# Allegro board BeagleBone-AI.brd (continued)
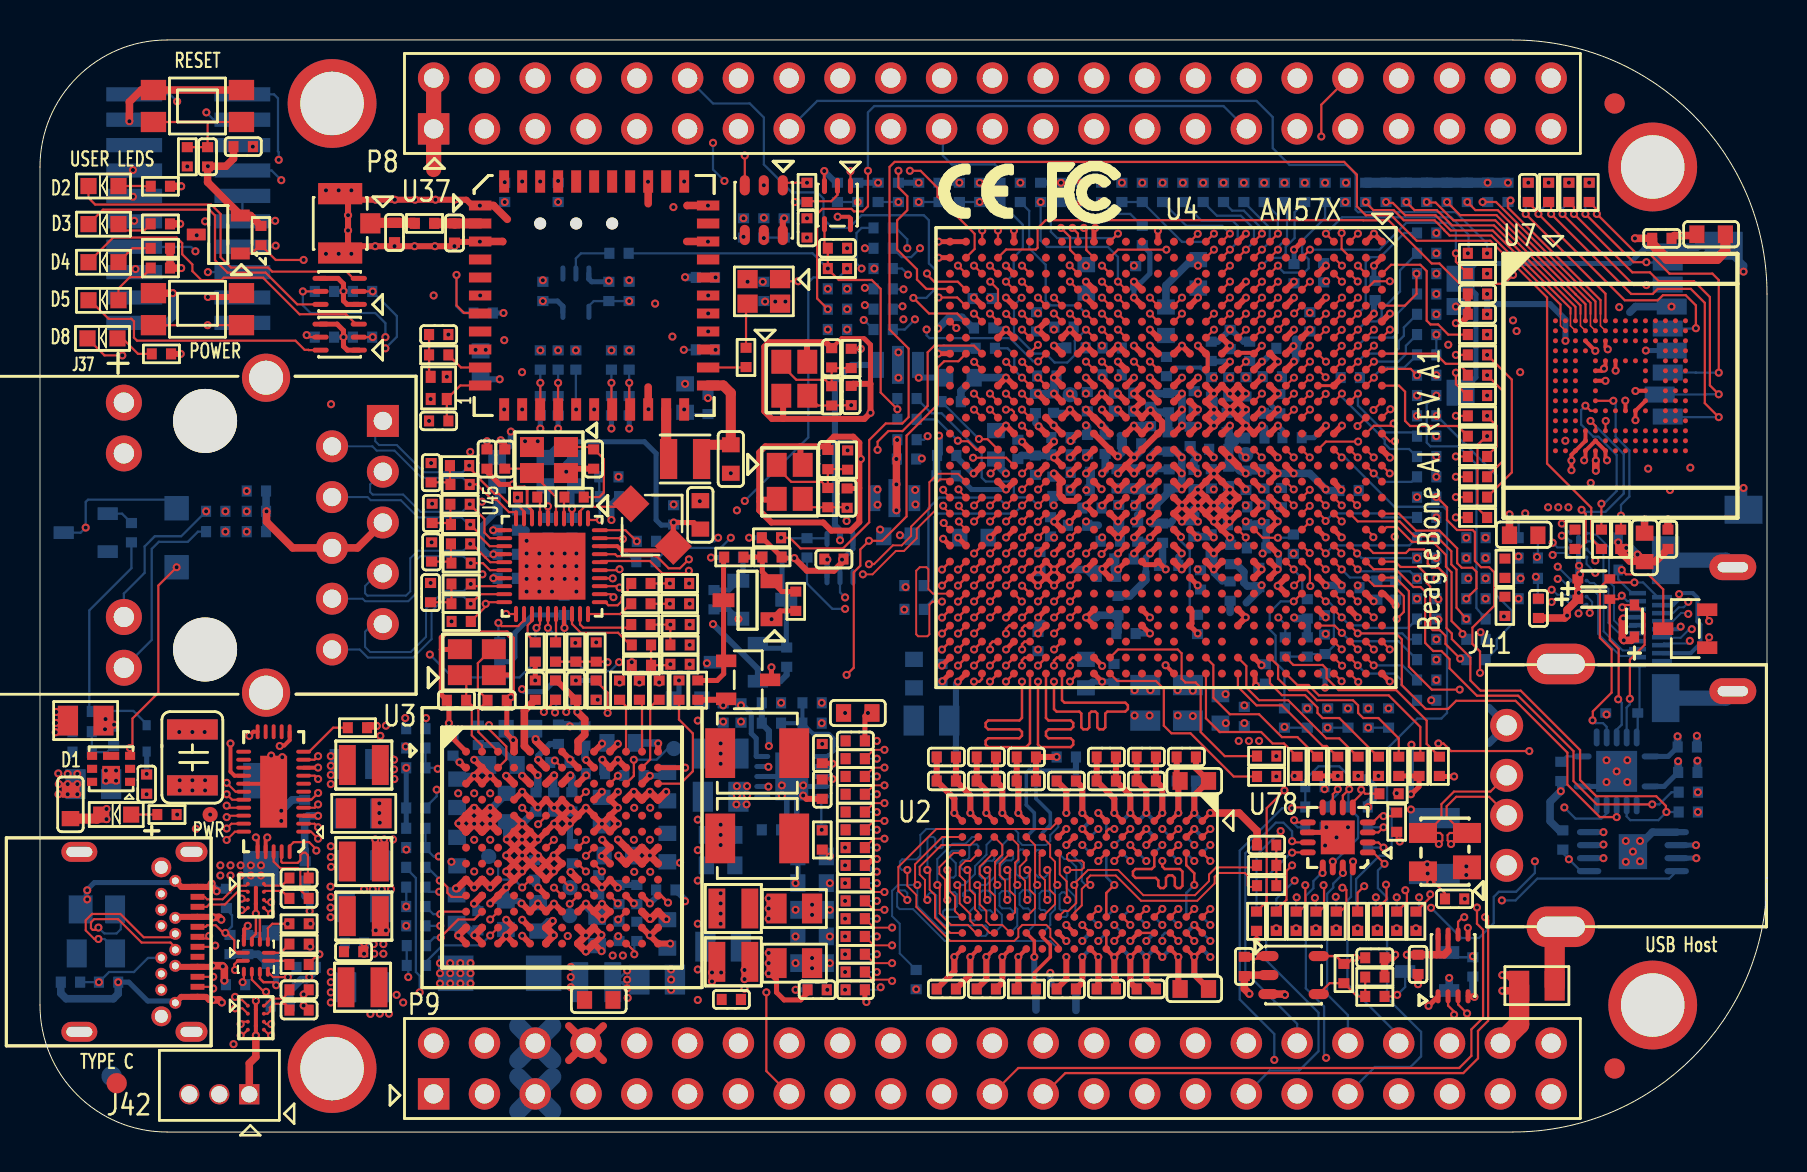
[diagram p0: board, top side]
## Routing (per net, layer and track width the routed paths; a pad name or vN(x,y) marks a point on that pad's centre or on a via; arc(x,y) is an arc through that point) (continued)
HDMI_HPD: length 3.7
  BOTTOM w0.114: J91.1 79.98,23.25 79.98,21.04 D24.2 79.9,19.79 U12.13
HDMI_SCL: length 8.9
  TOP w0.114: v1(79.1,26.82) 78.92,26.64 D21.2 78.5,24.6 78.94,24.16 78.94,21.67 v1(78.92,21.64)
  BOTTOM w0.114: v1(79.1,26.82) 79.37,26.55 J91.17 ; U12.11 78.84,20.12 79.1,20.37 79.1,21.46 v1(78.92,21.64)
HDMI_SDA: length 12.3
  TOP w0.114: v1(79.73,27.48) 78.68,27.48 D22.2 78.44,27.66 78,27.23 78,24.71 78.59,24.13 78.59,21.97 77.65,21.03 77.65,20.6 v1(77.64,20.59)
  BOTTOM w0.114: U12.10 78.34,20.26 78.16,20.45 77.77,20.45 v1(77.64,20.59) ; J91.18 80.9,26.75 80.16,27.48 v1(79.73,27.48)
HDMI_T0N: length 6.5
  BOTTOM w0.102: J91.11 79.81,25.27 79.02,25.27 78.71,25.59 78.71,27.28 78.46,27.52 78.46,29.24 77.82,29.88 77.59,29.88 77.53,29.94 U91.A1
HDMI_T0P: length 6.5
  BOTTOM w0.102: J91.9 79.84,24.99 78.9,24.99 78.43,25.47 78.43,27.16 78.18,27.41 78.18,29.12 77.7,29.6 77.59,29.6 77.53,29.54 U91.A2
HDMI_T1N: length 8.4
  SIG_L5 w0.094: v1(82.6,25.15) 82.55,25.1 82.42,25.1 82.22,24.89 80.34,24.89 79.93,25.3 78,25.3 77.52,25.78 77.52,25.93 v1(77.5,25.96)
  BOTTOM w0.102: v1(82.6,25.15) 82.55,25.1 82.42,25.1 82.04,24.71 81.14,24.71 J91.8 ; v1(77.5,25.96) 77.5,26.01 77.62,26.13 77.62,26.51 77.35,26.77 U92.A3
HDMI_T1P: length 8.3
  SIG_L5 w0.094: v1(82.5,24.56) 82.47,24.59 80.21,24.59 79.81,24.99 77.88,24.99 v1(76.94,25.93)
  BOTTOM w0.102: U92.A4 77.23,26.37 76.94,26.09 v1(76.94,25.93) ; J91.6 81.2,24.43 82.4,24.43 82.5,24.54 v1(82.5,24.56)
HDMI_T2N: length 5.2
  BOTTOM w0.102: J91.5 79.82,24.09 79.14,24.09 78.19,25.03 78.19,26.98 77.71,27.46 77.5,27.46 77.38,27.57 U92.A1
HDMI_T2P: length 5.1
  BOTTOM w0.102: J91.3 79.82,23.81 79.02,23.81 77.91,24.92 77.91,26.86 77.6,27.18 77.34,27.18 U92.A2
I2C1_SCL: length 99
  TOP w0.114: R706.1 67.84,14.64 67.96,14.53 v1(68,14.53) ; v1(13.51,9.27) 13.51,9.32 R542.2 ; U4.C20 65.84,28.99 65.84,28.96 v1(65.86,28.93)
  SIG_L8 w0.102: v1(13.51,9.27) 13.53,9.26 13.53,8.62 14.07,8.08 14.07,6.25 14.25,6.07 14.78,6.07 16.23,7.52 17.88,7.52 19.94,5.46 33.35,5.46 33.81,5 33.81,4.01 34.47,3.35 51.26,3.35 51.79,3.89 51.79,5 52.25,5.46 66.12,5.46 67.08,6.43 67.08,9.07 67.69,9.68 68.07,9.68 68.3,9.91 68.3,11.58 68.63,11.91 68.63,12.42 68.02,13.03 68.02,14.5 v1(68,14.53) 68.5,14.53 70.08,16.1 70.08,18.26 71.04,19.23 71.04,21.08 71.63,21.67 71.63,23.11 71.91,23.39 71.91,24.43 71.63,24.71 71.63,25.07 71.42,25.27 71.2,25.27 70.84,25.63 70.84,26.42 69.98,27.28 69.65,27.28 69.47,27.46 69.47,28.09 v1(68.86,28.7)
  SIG_L10 w0.102: v1(13.51,9.27) 14.33,9.27 16,10.95 17.98,10.95 v1(18.31,11.28)
  BOTTOM w0.114: R149.1 v1(18.31,11.28) ; v1(65.86,28.93) 66.09,28.7 v1(68.86,28.7)
I2C1_SDA: length 85.3
  TOP w0.114: U4.C21 v1(65.89,28.13) ; v1(13.97,8.89) 13.91,8.89 13.44,8.42 R543.2
  SIG_L8 w0.102: v1(18.41,7.75) 18.99,7.75 20.82,5.92 36.04,5.92 36.5,5.46 51.1,5.46 51.56,5.92 65.68,5.92 66.4,6.63 66.4,11.94 66.57,12.12 66.57,15.85 67.67,16.94 v1(67.84,16.94) 68,16.94 70.54,19.48 70.54,22.25 71.12,22.83 71.12,23.27 71.4,23.55 71.4,24.1 71.27,24.23 70.97,24.23 70.54,24.66 70.54,25.25 70.36,25.43 70.36,25.83 70.15,26.04 69.55,26.04 69.24,26.34 69.24,27 68.86,27.38 v1(68.86,27.69)
  SIG_L10 w0.102: v1(18.41,7.75) 15.98,7.75 14.83,8.89 v1(13.97,8.89)
  BOTTOM w0.114: v1(68.86,27.69) 68.5,28.04 65.99,28.04 v1(65.89,28.13) ; R145.1 R146.1 18.35,8.33 18.41,8.27 v1(18.41,7.75)
I2C4_SCL: length 29
  SIG_L5 w0.102: v1(63.8,10.19) 63.8,10.11 61.6,7.9 60.23,7.9 59.16,6.83 52.65,6.83 52.2,6.38 49.88,6.38 48.64,5.14 48.64,3.77 48.25,3.38 46.71,3.38 46.36,3.73 46.36,5.08 45.97,5.46 44.45,5.46 43.94,4.95 43.94,3.3 P9.19
I2C4_SDA: length 22.7
  SIG_L5 w0.102: v1(62.81,10.19) 62.81,10.13 61.1,8.42 59.94,8.42 58.94,7.43 52.43,7.43 51.89,6.88 49.68,6.88 48.51,5.71 43.81,5.71 P9.20
I2C5_SCL: length 26.3
  SIG_L5 w0.102: P9.17 41.21,3.11 41.21,4.64 42.55,5.97 48.38,5.97 49.52,7.11 51.66,7.11 52.28,7.73 58.83,7.73 60.27,9.17 61.11,9.17 61.85,9.91 61.85,10.16 v1(61.82,10.19)
I2C5_SDA: length 23.9
  TOP w0.114: R636.1 v1(60.83,9.59)
  SIG_L5 w0.102: P9.18 40.58,4.45 42.35,6.22 48.26,6.22 49.38,7.34 51.44,7.34 52.12,8.03 58.67,8.03 60.24,9.59 v1(60.83,9.59)
  BOTTOM w0.114: R636.1 v1(60.83,9.59)
ID: length 72.3
  TOP w0.114: U4.AG2 46.74,44.16 46.74,44.92 44.88,46.77 44.88,47.22 44.03,48.07 v1(43.5,48.07) ; U22.9 11.39,10.19 11.62,10.41 v1(12.38,10.41) R546.2
  INT_L3 w0.102: v1(7.8,15.16) 8.5,15.16 8.89,15.56 8.89,17.83 10.21,19.15 10.85,19.15 11.61,19.91 12.07,19.91 16.28,24.13 17.86,24.13 20.45,26.72 20.45,35.81 31.56,46.93 42.35,46.93 v1(43.5,48.07)
  SIG_L5 w0.102: v1(7.8,15.16) 8.18,15.16 9.3,14.05 11.73,14.05 12.38,13.4 v1(12.38,10.41)
INT_ADC: length 67.4
  TOP w0.114: U78.2 66.4,14.48 66.93,14.48 v1(67.18,14.22) ; U4.AG8 45.92,38.54 45.21,38.54 44.89,38.23 44.89,36.39 43.33,34.82 43.33,30.78 42.11,29.57 v1(41.45,29.57) 41.02,29.13 41.02,28.32 40.69,27.99 40.69,23.22 v1(40.34,22.86)
  SIG_L10 w0.102: v1(67.18,14.22) 66.6,13.64 66.6,12.12 65.21,10.73 61.21,10.73 58.42,7.94 51.12,7.94 50.74,8.32 44.45,8.32 42.99,6.86 41.53,6.86 41.02,7.37 41.02,15.21 40.72,15.52 40.72,21.23 40.34,21.62 v1(40.34,22.86)
  BOTTOM w0.114: R567.2 v1(67.18,14.22)
INT_TYPE C: length 69
  TOP w0.114: U4.AE6 v1(47.5,40.93) ; v1(12.4,7.75) 11.66,7.75 U22.6
  INT_L3 w0.102: v1(12.4,7.75) 12.75,8.1 12.75,14.12 11.13,15.75 11.13,19.1 11.71,19.69 12.22,19.69 16.43,23.9 17.98,23.9 20.95,26.87 20.95,32.38 21.53,32.96 25.65,32.96 28.07,35.37 28.07,40.89 29.21,42.04 32.51,42.04 32.77,42.29 34.04,42.29 34.29,42.04 38.1,42.04 38.35,41.78 41.35,41.78 43.36,39.78 47.17,39.78 47.5,40.11 v1(47.5,40.93)
  BOTTOM w0.114: R545.1 12.83,8.06 12.51,7.75 v1(12.4,7.75)
J14_MCASP_FSR: length 16.6
  TOP w0.114: U4.J14 v1(61.09,33.73)
  INT_L3 w0.102: v1(73.93,28.78) 73.86,28.78 72.57,30.07 72.57,31.95 71.15,33.38 68.2,33.38 68.14,33.32 61.51,33.32 v1(61.09,33.73)
JTAG_EMU0: length 65
  TOP w0.114: U4.G21 v1(62.69,28.13)
  SIG_L8 w0.102: v1(62.69,28.13) 62.69,28.24 62.29,28.64 62.29,29.08 62.04,29.34 61.72,29.34 60.71,30.35 60.71,30.67 60.45,30.92 60.13,30.92 59.88,31.18 59.88,31.5 59.63,31.75 59.33,31.75 59.08,32 59.08,32.3 58.84,32.54 58.52,32.54 58.29,32.77 58.29,33.08 58.04,33.34 57.72,33.34 57.47,33.59 57.47,33.91 55.64,35.74 55.35,35.74 55.12,35.97 55.12,36.26 54.85,36.53 49.71,36.53 49.48,36.75 49.48,37.21 49.33,37.36 48.06,37.36 47.85,37.57 45.95,37.57 45.52,37.13 43.36,37.13 43.31,37.19 42.76,37.19 42.37,37.58 42.1,37.85 40.5,37.85 35.05,37.85 34.42,38.48 33.53,38.48 33.02,38.99 33.02,39.37 31.5,40.89 24.07,40.89 23.62,41.34 12.92,41.34 11.84,42.42 11.84,44.27 v1(11.79,44.32)
  BOTTOM w0.114: R192.2 63.12,26.9 63.12,27.69 62.69,28.11 v1(62.69,28.13) ; P2.13 11.73,44.27 v1(11.79,44.32)
JTAG_EMU1: length 75.8
  TOP w0.114: U4.D24 v1(65.09,25.73)
  SIG_L8 w0.102: v1(7.77,44.04) 9.53,44.04 12.8,40.77 22.29,40.77 22.73,40.32 30.48,40.32 32.13,38.67 32.63,38.67 33.32,37.97 34.28,37.97 34.86,37.39 39.37,37.39 41.91,37.39 42.57,36.73 43.12,36.73 43.17,36.68 46.28,36.68 46.46,36.5 47.73,36.5 47.88,36.35 47.88,36.02 48.13,35.76 50.95,35.76 51.26,35.46 51.66,35.46 52.2,34.92 54.29,34.92 55.12,34.1 55.12,33.59 55.37,33.34 55.88,33.34 56.71,32.51 57.28,32.51 57.53,32.26 57.53,31.94 57.78,31.69 58.1,31.69 58.29,31.5 58.29,31.18 58.55,30.92 58.86,30.92 59.12,30.67 59.12,30.35 59.37,30.1 59.69,30.1 59.88,29.91 59.88,27.47 61.19,26.16 62.18,26.16 62.33,26.01 62.33,25.55 62.53,25.35 64.71,25.35 v1(65.09,25.73)
  BOTTOM w0.114: R180.2 68.41,25.21 66.36,25.21 66.23,25.34 65.49,25.34 v1(65.09,25.73) ; P2.14 4.72,44.26 7.56,44.26 v1(7.77,44.04)
JTAG_RTCK: length 80.5
  SIG_L10 w0.102: v1(69.82,30.73) 69.79,30.73 69.46,31.06 69.46,32.19 68.64,33.01 68.64,34.92 68.39,35.18 68.39,36.26 67.59,37.06 67.59,39.52 67.95,39.88 67.95,41.47 67.13,42.28 67.13,42.72 67.61,43.21 67.61,44.09 67.46,44.25 65.93,44.25 65.66,44.51 64.96,44.51 64.66,44.81 64.66,48.19 63.7,49.15 36.45,49.15 35.28,47.98 14.01,47.98 12.19,46.16 12.19,45.85 11.91,45.57 v1(11.76,45.57)
  BOTTOM w0.114: v1(11.76,45.57) 11.72,45.53 11.18,45.53 11.16,45.54 P2.11 P2.9 ; R200.2 v1(69.82,30.73)
JTAG_TDI: length 76.3
  TOP w0.114: U4.D23 v1(65.09,26.53)
  SIG_L8 w0.102: v1(65.09,26.53) 65.09,26.51 64.74,26.16 62.51,26.16 62.28,26.39 61.49,26.39 60.68,27.2 60.68,29.93 60.52,30.1 60.2,30.1 59.88,30.42 59.88,30.67 59.63,30.92 59.37,30.92 59.12,31.18 59.12,31.5 58.92,31.7 58.6,31.7 58.29,32 58.29,32.26 58.04,32.51 57.78,32.51 57.53,32.77 57.53,33.02 57.21,33.34 56.77,33.34 55.12,34.99 55.12,35.53 54.89,35.76 51.33,35.76 50.8,36.3 49.53,36.3 49.3,36.53 48.06,36.53 47.9,36.68 47.9,37.13 47.73,37.31 46.08,37.31 45.67,36.91 43.26,36.91 43.21,36.96 42.67,36.96 42.01,37.62 40.41,37.62 34.96,37.62 34.35,38.23 33.4,38.23 32.73,38.9 32.73,39.24 31.37,40.6 22.9,40.6 22.48,41.02 12.88,41.02 11.3,42.6 11.3,46.61 8.32,49.59 v1(8.32,50.99)
  BOTTOM w0.114: v1(8.32,50.99) 8.69,50.62 P2.3
JTAG_TDO: length 66.3
  TOP w0.114: U4.F19 v1(63.49,30.52)
  SIG_L8 w0.102: v1(12.07,47.6) 12.73,46.94 12.73,43.28 13.21,42.8 20.02,42.8 20.46,42.35 21.04,42.35 22.02,43.33 29.94,43.33 32.83,40.45 33.5,40.45 33.77,40.18 33.77,39.97 35.38,38.35 40.32,38.35 41.38,38.35 43.12,38.35 43.4,38.07 43.78,38.07 46.81,38.07 47.68,38.94 49.38,38.94 49.48,38.84 49.48,38.35 49.71,38.13 54.88,38.13 55.12,37.89 55.12,37.59 55.37,37.34 55.63,37.34 56.74,36.23 56.74,35.97 56.96,35.75 57.28,35.75 57.53,35.5 57.53,35.18 58.61,34.1 58.86,34.1 59.06,33.91 59.06,33.58 60.12,32.51 60.45,32.51 60.71,32.26 60.71,32 60.96,31.75 61.21,31.75 61.47,31.5 61.47,31.24 61.79,30.92 63.08,30.92 v1(63.49,30.52)
  BOTTOM w0.114: v1(12.07,47.6) 11.58,48.08 P2.7
JTAG_TMS: length 73.2
  TOP w0.114: U4.F18 v1(63.49,31.32)
  SIG_L8 w0.102: v1(63.49,31.32) 63.49,31.31 63.88,30.92 64.52,30.92 64.74,31.15 64.74,31.94 64.72,31.96 64.72,33.5 62.29,35.93 62.29,36.26 62.03,36.53 61.65,36.53 61.47,36.7 61.47,37.08 61.21,37.34 60.96,37.34 60.71,37.59 60.71,37.87 60.48,38.1 60.2,38.1 59.88,38.42 59.88,38.67 59.63,38.93 59.37,38.93 59.12,39.18 59.12,42.67 58.05,43.74 56.8,43.74 56.58,43.52 55.75,43.52 55.04,44.22 50.58,44.22 50.07,44.73 46.96,44.73 44.83,46.86 38.04,46.86 37.12,47.78 34.44,47.78 v1(34.23,47.56)
  SIG_L10 w0.102: v1(11.94,48.62) 12.14,48.62 12.32,48.44 32.63,48.44 v1(33.66,49.47)
  BOTTOM w0.114: P2.1 11.7,51.89 11.9,51.7 11.9,49.04 11.94,49 v1(11.94,48.62) ; v1(34.23,47.56) 33.66,48.13 v1(33.66,49.47)
JTAG_TRSTN: length 81.3
  TOP w0.114: v1(65.07,28.93) 65.07,28.95 U4.D20
  INT_L3 w0.102: v1(68.86,26.67) 68.48,26.67 66.64,28.51 65.53,28.51 65.11,28.93 v1(65.07,28.93)
  SIG_L8 w0.102: v1(65.07,28.93) 65.06,28.93 64.66,29.34 62.8,29.34 61.98,30.16 61.72,30.16 61.53,30.35 61.53,30.65 61.24,30.94 60.95,30.94 60.71,31.18 60.71,31.5 60.45,31.75 60.13,31.75 59.88,32 59.88,32.26 58.8,33.34 58.55,33.34 58.29,33.59 58.29,33.91 58.09,34.11 57.77,34.11 56.71,35.18 56.71,35.47 55.66,36.51 55.37,36.51 55.12,36.77 55.12,37.08 54.84,37.36 49.68,37.36 49.48,37.57 49.48,38 49.35,38.13 47.22,38.13 46.94,37.85 45.82,37.85 45.34,37.36 43.45,37.36 43.31,37.51 43.31,37.84 43.02,38.13 40.62,38.13 35.21,38.13 34.85,38.48 34.85,38.48 34.57,38.76 33.63,38.76 33.27,39.12 33.27,39.57 29.79,43.05 22.12,43.05 21.11,42.04 20.24,42.04 19.84,42.44 13.18,42.44 12.47,43.15 12.47,46.39 9.33,49.53 9.33,51.24 9.04,51.54 v1(6.86,51.54)
  BOTTOM w0.114: v1(6.86,51.54) 6.5,51.89 P2.2
LCD_CLK: length 35.5
  SIG_L8 w0.102: v1(69.82,40.89) 68.3,40.89 66.29,42.9 66.29,43.69 65.72,44.26 65.15,44.26 64.73,44.68 64.73,45.38 63.02,47.09 54.95,47.09 54.74,47.31 54.74,48.58 54.23,49.09 52.13,49.09 51.69,49.53 51.69,51.69 P8.28
  SIG_L10 w0.102: v1(69.82,33.78) 71.18,35.14 71.18,37.08 69.47,38.8 69.47,40.54 v1(69.82,40.89)
LCD_DATA0: length 21.3
  TOP w0.114: R662.2 73.6,32.98 73.6,37.63 v1(72.36,38.86)
  INT_L3 w0.102: v1(72.36,38.86) 72.39,38.86 72.77,39.24 72.77,47.57 73.23,48.03 74.07,48.03 74.96,48.92 74.96,49.56 P8.45
LCD_DATA1: length 26.1
  TOP w0.114: v1(72.36,34.8) 72.33,34.8 71.88,34.35 71.88,31.2 72.33,30.76 72.36,30.76 R664.2
  INT_L3 w0.102: P8.46 77.04,51.23 77.04,47.29 76.03,46.29 74.16,46.29 73.26,45.4 73.26,35.7 v1(72.36,34.8)
LCD_DATA8: length 31.6
  SIG_L10 w0.102: v1(69.85,35.81) 70.29,36.26 70.29,37 69.88,37.41 69.58,37.41 69.28,37.72 69.28,38.42 69.02,38.67 69.02,42.53 69.22,42.72 69.22,44.48 67.64,46.05 67.06,46.05 66.85,46.25 66.85,47.57 65.41,49.02 P8.37
  BOTTOM w0.114: R626.2 v1(69.85,35.81) 72.82,32.84 72.82,26.85 73.61,26.06 73.61,25.4 72.85,24.64 72.85,24.18 R627.2
LCD_DATA9: length 33.6
  TOP w0.114: P8.38 64.07,51.37 v1(64.07,49.78)
  SIG_L10 w0.102: v1(64.07,49.78) 64.07,49.4 65.72,47.75 65.72,46.04 66.01,45.75 67.54,45.75 68.45,44.83 68.45,42.16 68.71,41.91 68.71,38.73 68.45,38.48 68.45,37.66 68.64,37.46 69.15,37.46 69.79,36.83 v1(69.82,36.83)
  BOTTOM w0.114: R630.1 71.83,26.2 71.83,33.39 70.93,34.29 69.53,34.29 69.34,34.48 69.34,36.39 69.79,36.83 v1(69.82,36.83)
LCD_DATA10: length 31.1
  INT_L3 w0.102: v1(72.36,42.93) 71.75,43.54 71.75,47.75 72.35,48.35 73.88,48.35 74.45,48.92 74.45,51.28 74.19,51.54 74.19,53.19 73.66,53.72 63.88,53.72 P8.36
  SIG_L10 w0.102: v1(72.36,36.83) 72.9,37.36 72.9,42.39 v1(72.36,42.93)
LCD_DATA11: length 39.3
  TOP w0.114: R684.2 72.36,33.81 72.83,34.28 72.83,35.32 72.36,35.79 v1(72.36,35.81)
  INT_L3 w0.102: P8.34 61.59,53.97 73.91,53.97 74.49,53.4 74.49,51.71 74.5,51.71 74.85,51.36 76.23,51.36 76.68,50.9 76.68,49.35 76.05,48.72 76.05,46.99 75.64,46.58 74.12,46.58 73,45.46 73,36.45 v1(72.36,35.81)
LCD_DATA12: length 55.6
  SIG_L5 w0.102: v1(39.4,40.13) 39.78,40.51 40.64,40.51 41.15,40 41.55,40 41.83,39.73 51.73,39.73 51.88,39.88 51.88,40.26 52.13,40.51 54.05,40.51 55.09,41.55 55.09,41.94 55.3,42.14 58.17,42.14 58.32,41.99 58.32,39.95 58.54,39.73 63.67,39.73 63.91,39.97 63.91,40.28 64.14,40.51 68.45,40.51 69.6,39.37 v1(70.42,39.37)
  SIG_L8 w0.102: v1(69.82,42.93) 69.79,42.96 69.79,43.43 69.34,43.88 69.34,44.37 69.52,44.55 69.98,44.55 70.23,44.81 70.23,45.17 69.89,45.52 68.28,45.52 67.69,46.1 67.69,46.79 67.26,47.22 66.7,47.22 66.17,47.75 66.17,50.48 65.72,50.93 63.63,50.93 P8.35
  SIG_L10 w0.102: v1(69.82,42.93) 69.79,42.93 69.41,42.54 69.41,41.78 69.79,41.4 69.98,41.4 70.42,40.96 v1(70.42,39.37)
LCD_DATA13: length 43.9
  TOP w0.114: v1(39.4,41.15) 38.86,41.68 38.86,45.91 39.12,46.16 40.58,46.16 40.7,46.04 41.15,46.04 41.4,46.29 v1(41.4,48.07)
  SIG_L8 w0.102: v1(69.82,44.96) 68.22,44.96 66.83,46.35 66.83,46.71 64.39,49.15 61.34,49.15 P8.33
  BOTTOM w0.114: P8.33 59.18,51.31 41.72,51.31 41.4,50.99 v1(41.4,48.07)
LCD_DATA14: length 32
  SIG_L8 w0.102: P8.31 59.12,48.83 63.59,48.83 64.64,47.78 64.64,46.62 65.58,45.68 66.87,45.68 68.33,44.22 68.33,42.42 68.83,41.91 v1(69.82,41.91)
  SIG_L10 w0.102: v1(69.82,41.91) 69.85,41.88 70.89,41.88 71.35,41.43 71.35,37.97 71.5,37.82 71.5,30.61 71.75,30.35 71.75,29.24 v1(72.29,28.7)
LCD_DATA15: length 37.1
  SIG_L8 w0.102: v1(69.82,43.94) 69.82,44.07 70.46,44.7 70.46,45.35 70.02,45.8 68.38,45.8 67.92,46.25 67.92,46.89 67.28,47.52 66.78,47.52 66.42,47.88 66.42,50.61 65.85,51.18 59.31,51.18 P8.32
  SIG_L10 w0.102: v1(69.82,43.94) 69.82,43.56 71.65,41.73 71.65,38.79 71.82,38.62 71.82,30.95 72.75,30.02 72.77,30.02 72.77,28.17 v1(72.29,27.69)
LCD_DE: length 29.8
  SIG_L8 w0.102: P8.30 56.71,51.24 56.71,49.4 57.59,48.51 63.37,48.51 63.88,48.01 63.88,47.06 65.54,45.4 66.79,45.4 67.95,44.25 67.95,42.35 68.77,41.53 70.1,41.53 70.29,41.72 70.87,41.72 71.18,41.4 71.18,38.67 70.93,38.42 70.42,38.42 70.04,38.8 70.04,39.66 v1(69.82,39.88)
  BOTTOM w0.114: R620.2 v1(69.82,39.88)
LCD_HSYNC: length 28
  SIG_L8 w0.102: P8.29 55.25,49.85 56.9,48.2 63.25,48.2 63.63,47.82 63.63,46.99 65.44,45.17 65.44,44.86 65.79,44.51 66.08,44.51 67.08,43.51 67.08,42.44 68.25,41.27 70.1,41.27 70.29,41.08 70.29,40.58 70.1,40.39 69.6,40.39 69.41,40.2 69.41,39.69 69.72,39.37 69.72,37.95 v1(69.82,37.85)
  SIG_L10 w0.102: v1(69.82,34.8) 69.85,34.8 70.29,35.24 70.29,35.88 70.55,36.13 70.55,37.14 69.84,37.85 v1(69.82,37.85)
LCD_VSYNC: length 41
  TOP w0.114: v1(72.36,37.85) 73.22,37 73.22,33.62 R666.2
  SIG_L8 w0.102: P8.27 53.97,51.43 53.97,53.34 54.36,53.72 58.86,53.72 59.31,53.28 59.31,52.13 59.88,51.56 66.14,51.56 66.67,51.03 66.67,48.11 67.03,47.75 67.67,47.75 68.81,46.61 68.81,46.28 69.04,46.05 70.21,46.05 70.74,45.52 70.74,44.58 70.41,44.25 70.41,42.98 71.78,41.61 71.78,38.39 72.33,37.85 v1(72.36,37.85)
LPO_IN_32K: length 1.9
  TOP w0.114: U37.24 35.29,38.23 R576.2
MCASP2_ACLKX: length 55.3
  SIG_L5 w0.102: v1(72.03,24.99) 72.01,24.97 71.81,24.97 71.48,25.3 71.12,25.3 70.74,25.68 70.74,29.29 69.82,30.2 67.61,30.2 66.09,31.72 65.56,31.72 65.46,31.62 65.46,30.28 65.3,30.12 46.89,30.12 45.9,29.13 41.33,29.13 40.74,29.72 40.74,32.05 40.64,32.16 39.5,32.16 33.16,38.49 32.14,38.49 31.8,38.84 31.8,39.32 32.46,39.98 33.36,39.98 v1(33.41,40.03)
  BOTTOM w0.114: R608.2 72.29,24.74 v1(72.03,24.99)
MCASP2_AXR0: length 44
  SIG_L5 w0.102: v1(69.82,32.77) 68.35,32.77 67.79,33.32 64.69,33.32 63.91,32.54 63.91,31.9 63.75,31.75 60.13,31.75 60.07,31.69 57.34,31.69 57.3,31.72 44.83,31.72 43.84,30.73 41.82,30.73 41.38,31.18 41.38,32.51 40.96,32.92 40.01,32.92 34.16,38.77 34.16,40.18 v1(33.41,40.93)
MCASP2_AXR1: length 43.5
  TOP w0.114: U4.A15 v1(67.49,32.93)
  SIG_L5 w0.102: v1(67.49,32.93) 67.1,32.54 65,32.54 64.72,32.26 64.72,31.04 64.62,30.94 44.98,30.94 43.54,29.49 42.09,29.49 41.02,30.56 41.02,32.13 40.72,32.44 39.75,32.44 33.07,39.12 v1(32.19,39.12)
  BOTTOM w0.114: R610.2 v1(32.19,39.12)
MCASP2_FSX: length 50.7
  SIG_L5 w0.102: v1(72.29,26.67) 72.24,26.67 71.86,27.05 71.37,27.05 70.97,27.46 70.97,29.46 70.41,30.02 70.41,32.87 70.13,33.15 68.63,33.15 67.61,34.16 64.95,34.16 63.32,32.54 48.87,32.54 48.66,32.75 48.66,33.08 48.42,33.32 44.26,33.32 44.17,33.22 40.18,33.22 34.57,38.84 34.57,40.68 v1(33.41,41.83)
MCASP_FSR: length 46
  SIG_L8 w0.102: P9.27 53.54,2.74 68.33,2.74 69.47,3.89 69.47,5.38 70.08,5.99 70.08,9.7 70.64,10.26 70.64,13.34 71.3,14 71.3,16.71 72.09,17.5 72.09,20.68 73.09,21.68 73.09,23.94 74.88,25.73 74.88,27.27 75.18,27.58 75.18,27.99 74.86,28.31 v1(74.86,28.76)
  BOTTOM w0.114: R669.2 R668.2
MDIO_CLK: length 98.6
  TOP w0.114: U4.V1 v1(53.9,44.93)
  SIG_L5 w0.102: v1(33.91,29.72) 30.66,29.72 29.96,29.02 28.74,29.02 28.22,28.5 28.22,26.8 27.01,25.59 24.6,25.59 23.46,24.45 16.9,24.45 16.26,25.1 16.26,37.67 15.16,38.76 12.98,38.76 11.94,39.8 11.94,43.23 13.21,44.5 13.21,46.74 14.25,47.78 22.33,47.78 22.99,47.12 35.62,47.12 35.81,46.93 53.47,46.93 53.9,46.49 v1(53.9,44.93)
  BOTTOM w0.114: R470.1 33.73,29.54 v1(33.91,29.72) ; R24.1 50.55,46 50.55,45.02 50.86,44.7 53.68,44.7 v1(53.9,44.93)
MDIO_D: length 92.2
  TOP w0.114: U4.U4 v1(53.9,42.53)
  SIG_L5 w0.102: v1(50.04,46.51) 49.68,46.15 34.98,46.15 34.54,45.72 30.86,45.72 29.84,44.7 23.44,44.7 22.24,43.5 13.63,43.5 12.32,42.19 12.32,39.85 13.13,39.04 15.44,39.04 18.01,36.47 18.01,26.14 19.33,24.82 23.16,24.82 24.38,26.04 26.97,26.04 27.91,26.97 27.91,28.98 28.94,30.01 33.19,30.01 33.4,30.23 34.04,30.23 v1(34.54,29.72)
  BOTTOM w0.114: v1(34.54,29.72) 34.04,29.21 31.43,29.21 30.78,28.56 R469.1 ; v1(53.9,42.53) 53.9,43.76 53.4,44.26 50.36,44.26 50.04,44.58 v1(50.04,46.51)
MII0_CLK_25M: length 1.7
  TOP w0.114: U45.23 24.6,25.56 24.38,25.34 24.38,24.87 R467.1
MII0_CT: length 9.5
  TOP w0.381: v1(11.33,31.04) 11.33,30.52 12.64,29.21 J37.6 15.88,29.21 17.14,30.48
  BOTTOM w0.114: C336.1 v1(11.33,31.04)
  BOTTOM w0.381: C335.1 C336.1 R463.1
MII0_LED_10_100: length 27.6
  SIG_L8 w0.102: v1(19.49,23.88) 17.02,23.88 15.49,25.4 14.1,25.4 11.73,27.76 11.73,28.98 11.38,29.34 8.43,29.34 7.67,30.1 7.67,32.39 6.12,33.94 J37.12
  BOTTOM w0.114: v1(19.49,23.88) 20.64,22.73 23.98,22.73 R660.2
MII0_LED_1000: length 27.8
  TOP w0.114: U45.22 24.2,25.6 23.9,25.3 23.09,25.3 v1(22.92,25.46)
  SIG_L8 w0.102: J37.11 8.18,32.49 10.72,32.49 12.37,30.84 12.37,28.52 12.83,28.07 15.43,28.07 16.51,26.99 18.22,26.99 20.19,25.02 22.48,25.02 v1(22.92,25.46)
  BOTTOM w0.114: v1(22.92,25.46) 22.92,24.55 R483.1
MII0_LED_ACT: length 27.6
  TOP w0.114: U45.21 23.31,25.9 v1(23.3,25.91)
  SIG_L8 w0.102: v1(23.3,25.91) 23.3,25.08 22.86,24.64 19.88,24.64 17.97,26.54 16.26,26.54 15.04,27.76 12.7,27.76 12.04,28.42 12.04,29.64 11.15,30.53 8.81,30.53 v1(8.31,31.04)
  BOTTOM w0.114: v1(8.31,31.04) 7.06,29.79 5.74,29.79 5.23,29.29 5.23,27.97 4.19,26.93 J37.13
MII0_LED_YEL: length 9.6
  BOTTOM w0.114: R457.1 7.9,30.02 7.39,29.51 5.94,29.51 5.59,29.16 5.59,24.61 J37.14
MII0_MDC: length 2.1
  TOP w0.114: U45.40 29.28,30.1 29.84,29.53 v1(29.84,29.54)
MII0_MDIO: length 2.6
  TOP w0.114: U45.39 29.11,29.7 v1(29.15,29.65)
  BOTTOM w0.114: v1(29.15,29.65) 29.15,29.15 29.77,28.52 R469.2
MII0_RBIAS: length 1.1
  TOP w0.114: U45.7 25,31.61 R465.1
MII0_RESETN: length 16.8
  TOP w0.114: U45.1 27.49,30.61 v1(28,30.61)
  INT_L3 w0.102: v1(28,30.61) 28,33.46 28.96,34.42 28.96,41.05 v1(29.46,41.55)
  BOTTOM w0.114: v1(29.46,41.55) C495.1 27.69,41.55 27.45,41.31 U90.4 ; v1(28,30.61) 27.99,30.62 R455.2 27.97,31.8 R641.1
MII0_RX_CLK: length 2.3
  TOP w0.114: R466.2 29.54,27.43 29.39,27.28 29.39,27.05 29.08,26.75 29.08,26.54 28.88,26.34 28.42,26.34 28.27,26.5 U45.31
MII0_RX_DV: length 2.4
  TOP w0.114: U45.30 29.01,25.9 29.45,26.34 29.49,26.34 R464.2
MII0_RXD0: length 3.2
  TOP w0.114: R458.2 29.41,25.22 27.17,25.22 27,25.38 U45.29
MII0_RXD1: length 3.9
  TOP w0.114: R459.2 29.51,24.36 28.91,24.97 27.04,24.97 26.6,25.4 U45.28
MII0_RXD2: length 1.4
  TOP w0.114: U45.26 25.8,24.51 R460.2
MII0_RXD3: length 1.6
  TOP w0.114: v1(25.4,25.21) 25.4,25.21 U45.25
  BOTTOM w0.114: R462.2 25.78,24.83 v1(25.4,25.21)
MII0_TR0: length 1.9
  TOP w0.114: 20.5,32.41 20.42,32.49 C338.1 ; 20.5,32.41 R472.2 ; 20.5,32.41 R468.2
MII0_TR1: length 2
  TOP w0.114: 20.52,30.4 20.47,30.45 C341.1 ; 20.52,30.4 R473.2 ; 20.52,30.4 R474.2
MII0_TR2: length 2
  TOP w0.114: 20.55,28.47 R477.2 ; 20.55,28.47 20.5,28.52 C342.1 ; 20.55,28.47 R476.2
MII0_TR3: length 2.1
  TOP w0.114: R479.2 R480.2 20.5,26.49 C343.1
MII0_TRN0: length 10.9
  TOP w0.114: v1(21.49,32.38) 21.53,32.38 21.54,32.37 21.58,32.37 21.6,32.39 21.84,32.39 22.61,31.62 22.83,31.62 23.45,31 23.8,31 U45.10
  BOTTOM w0.102: J37.2 16.62,34.29 16.84,34.07 17.73,34.07 19.09,32.72 21.13,32.72 21.46,32.38 v1(21.49,32.38)
MII0_TRN1: length 9.7
  TOP w0.114: U45.13 22.49,29.3 21.93,29.85 21.93,29.96 v1(21.51,30.38)
  BOTTOM w0.102: v1(21.51,30.38) 21.44,30.38 21.08,30.73 18.91,30.73 18.05,31.6 16.54,31.6 16.38,31.75 J37.4
MII0_TRN2: length 10.8
  TOP w0.114: U45.16 22.5,28.1 22.15,28.45 v1(21.54,28.45)
  BOTTOM w0.102: v1(21.54,28.45) 21.51,28.45 21.17,28.79 19.01,28.79 18.8,28.57 18.8,26.92 18.41,26.54 16.26,26.54 16.13,26.67 J37.8
MII0_TRN3: length 11.2
  TOP w0.114: U45.19 22.02,26.9 v1(21.54,26.42)
  BOTTOM w0.102: J37.10 15.99,24.13 16.39,23.72 18.66,23.72 19.58,24.65 19.58,26.05 20.31,26.77 21.18,26.77 v1(21.54,26.42)
MII0_TRP0: length 10.8
  TOP w0.114: U45.9 24.2,31.04 23.95,31.29 23.57,31.29 22.95,31.92 22.73,31.92 21.93,32.72 21.93,32.76 21.46,33.22 v1(21.46,33.32)
  BOTTOM w0.102: 17.14,35.56 16.76,35.18 16.76,34.54 16.95,34.35 17.84,34.35 19.2,32.99 21.13,32.99 v1(21.46,33.32)
MII0_TRP1: length 9.7
  TOP w0.114: U45.12 22.5,29.7 22.23,29.97 22.23,30.66 v1(21.49,31.39)
  BOTTOM w0.102: v1(21.49,31.39) 21.11,31.01 19.02,31.01 18.16,31.88 16.64,31.88 16.51,32 16.51,32.38 17.14,33.02
MII0_TRP2: length 10.9
  TOP w0.114: U45.15 22.51,28.5 22.27,28.74 22.26,28.74 21.59,29.41 v1(21.51,29.41)
  BOTTOM w0.102: v1(21.51,29.41) 21.17,29.07 18.9,29.07 18.52,28.69 18.52,27.04 18.3,26.82 16.37,26.82 16.26,26.94 16.26,27.3 16.89,27.94 J37.7
MII0_TRP3: length 11.1
  TOP w0.114: v1(21.54,27.41) 21.65,27.3 U45.18
  BOTTOM w0.102: J37.9 16.64,25.4 16.26,25.02 16.26,24.26 16.51,24 18.54,24 19.3,24.77 19.3,26.16 20.19,27.05 21.18,27.05 v1(21.54,27.41)
MII0_TX_CLK: length 11.7
  TOP w0.114: U4.W9 v1(52.3,38.53)
  SIG_L10 w0.102: v1(43.75,40.64) 46.41,40.64 46.52,40.53 50.08,40.53 50.32,40.29 50.32,40.01 50.59,39.73 50.87,39.73 51.1,39.5 51.1,39.14 51.32,38.92 51.66,38.92 52.06,38.53 v1(52.3,38.53)
  BOTTOM w0.114: R97.1 43.24,40.13 v1(43.75,40.64)
MII0_TX_EN: length 12.9
  TOP w0.114: U4.V9 v1(53.1,38.53)
  SIG_L10 w0.102: v1(43.13,41.29) 43.51,41.29 43.57,41.35 50.1,41.35 50.33,41.12 50.33,40.79 50.61,40.51 50.92,40.51 51.13,40.3 51.13,39.99 51.39,39.73 51.63,39.73 51.89,39.47 51.89,39.15 52.11,38.93 52.45,38.93 52.86,38.53 v1(53.1,38.53)
  BOTTOM w0.114: v1(43.13,41.29) 42.74,41.29 42.65,41.2 R96.1
MII0_TXD0: length 14.6
  TOP w0.114: U4.U6 v1(53.9,40.93)
  SIG_L10 w0.102: v1(43.37,44.2) 43.75,44.58 44.32,44.58 44.77,44.13 45.37,44.13 45.59,43.91 50,43.91 51.03,42.88 51.68,42.88 51.92,42.64 51.92,42.31 52.08,42.15 52.38,42.15 52.67,41.86 52.67,41.55 52.89,41.33 53.51,41.33 53.9,40.94 v1(53.9,40.93)
  BOTTOM w0.114: R92.1 42.71,45.27 42.74,45.27 43.37,44.64 v1(43.37,44.2)
MII0_TXD1: length 13.3
  TOP w0.114: U4.V6 v1(53.1,40.93)
  SIG_L10 w0.102: v1(44.01,44.2) 44.01,43.98 44.65,43.33 45.24,43.33 45.59,43.68 49.77,43.68 50.65,42.8 51.32,42.13 51.61,42.13 51.89,41.85 51.89,41.56 52.1,41.35 52.4,41.35 52.83,40.93 v1(53.1,40.93)